# Altium PCB PFC_Interleaved_V8.1.PcbDoc (part 3 of 3)
Units mm, origin at the board's own origin, x right, y up, seen from the top; angles counter-clockwise.
Board outline 258.26 x 148.72 mm, 4 copper layers (Top Layer, Signal Layer 1, Signal Layer 2, Bottom Layer), stack 0.809 mm thick; 261 components, 132 nets, 672 pads, 435 vias.
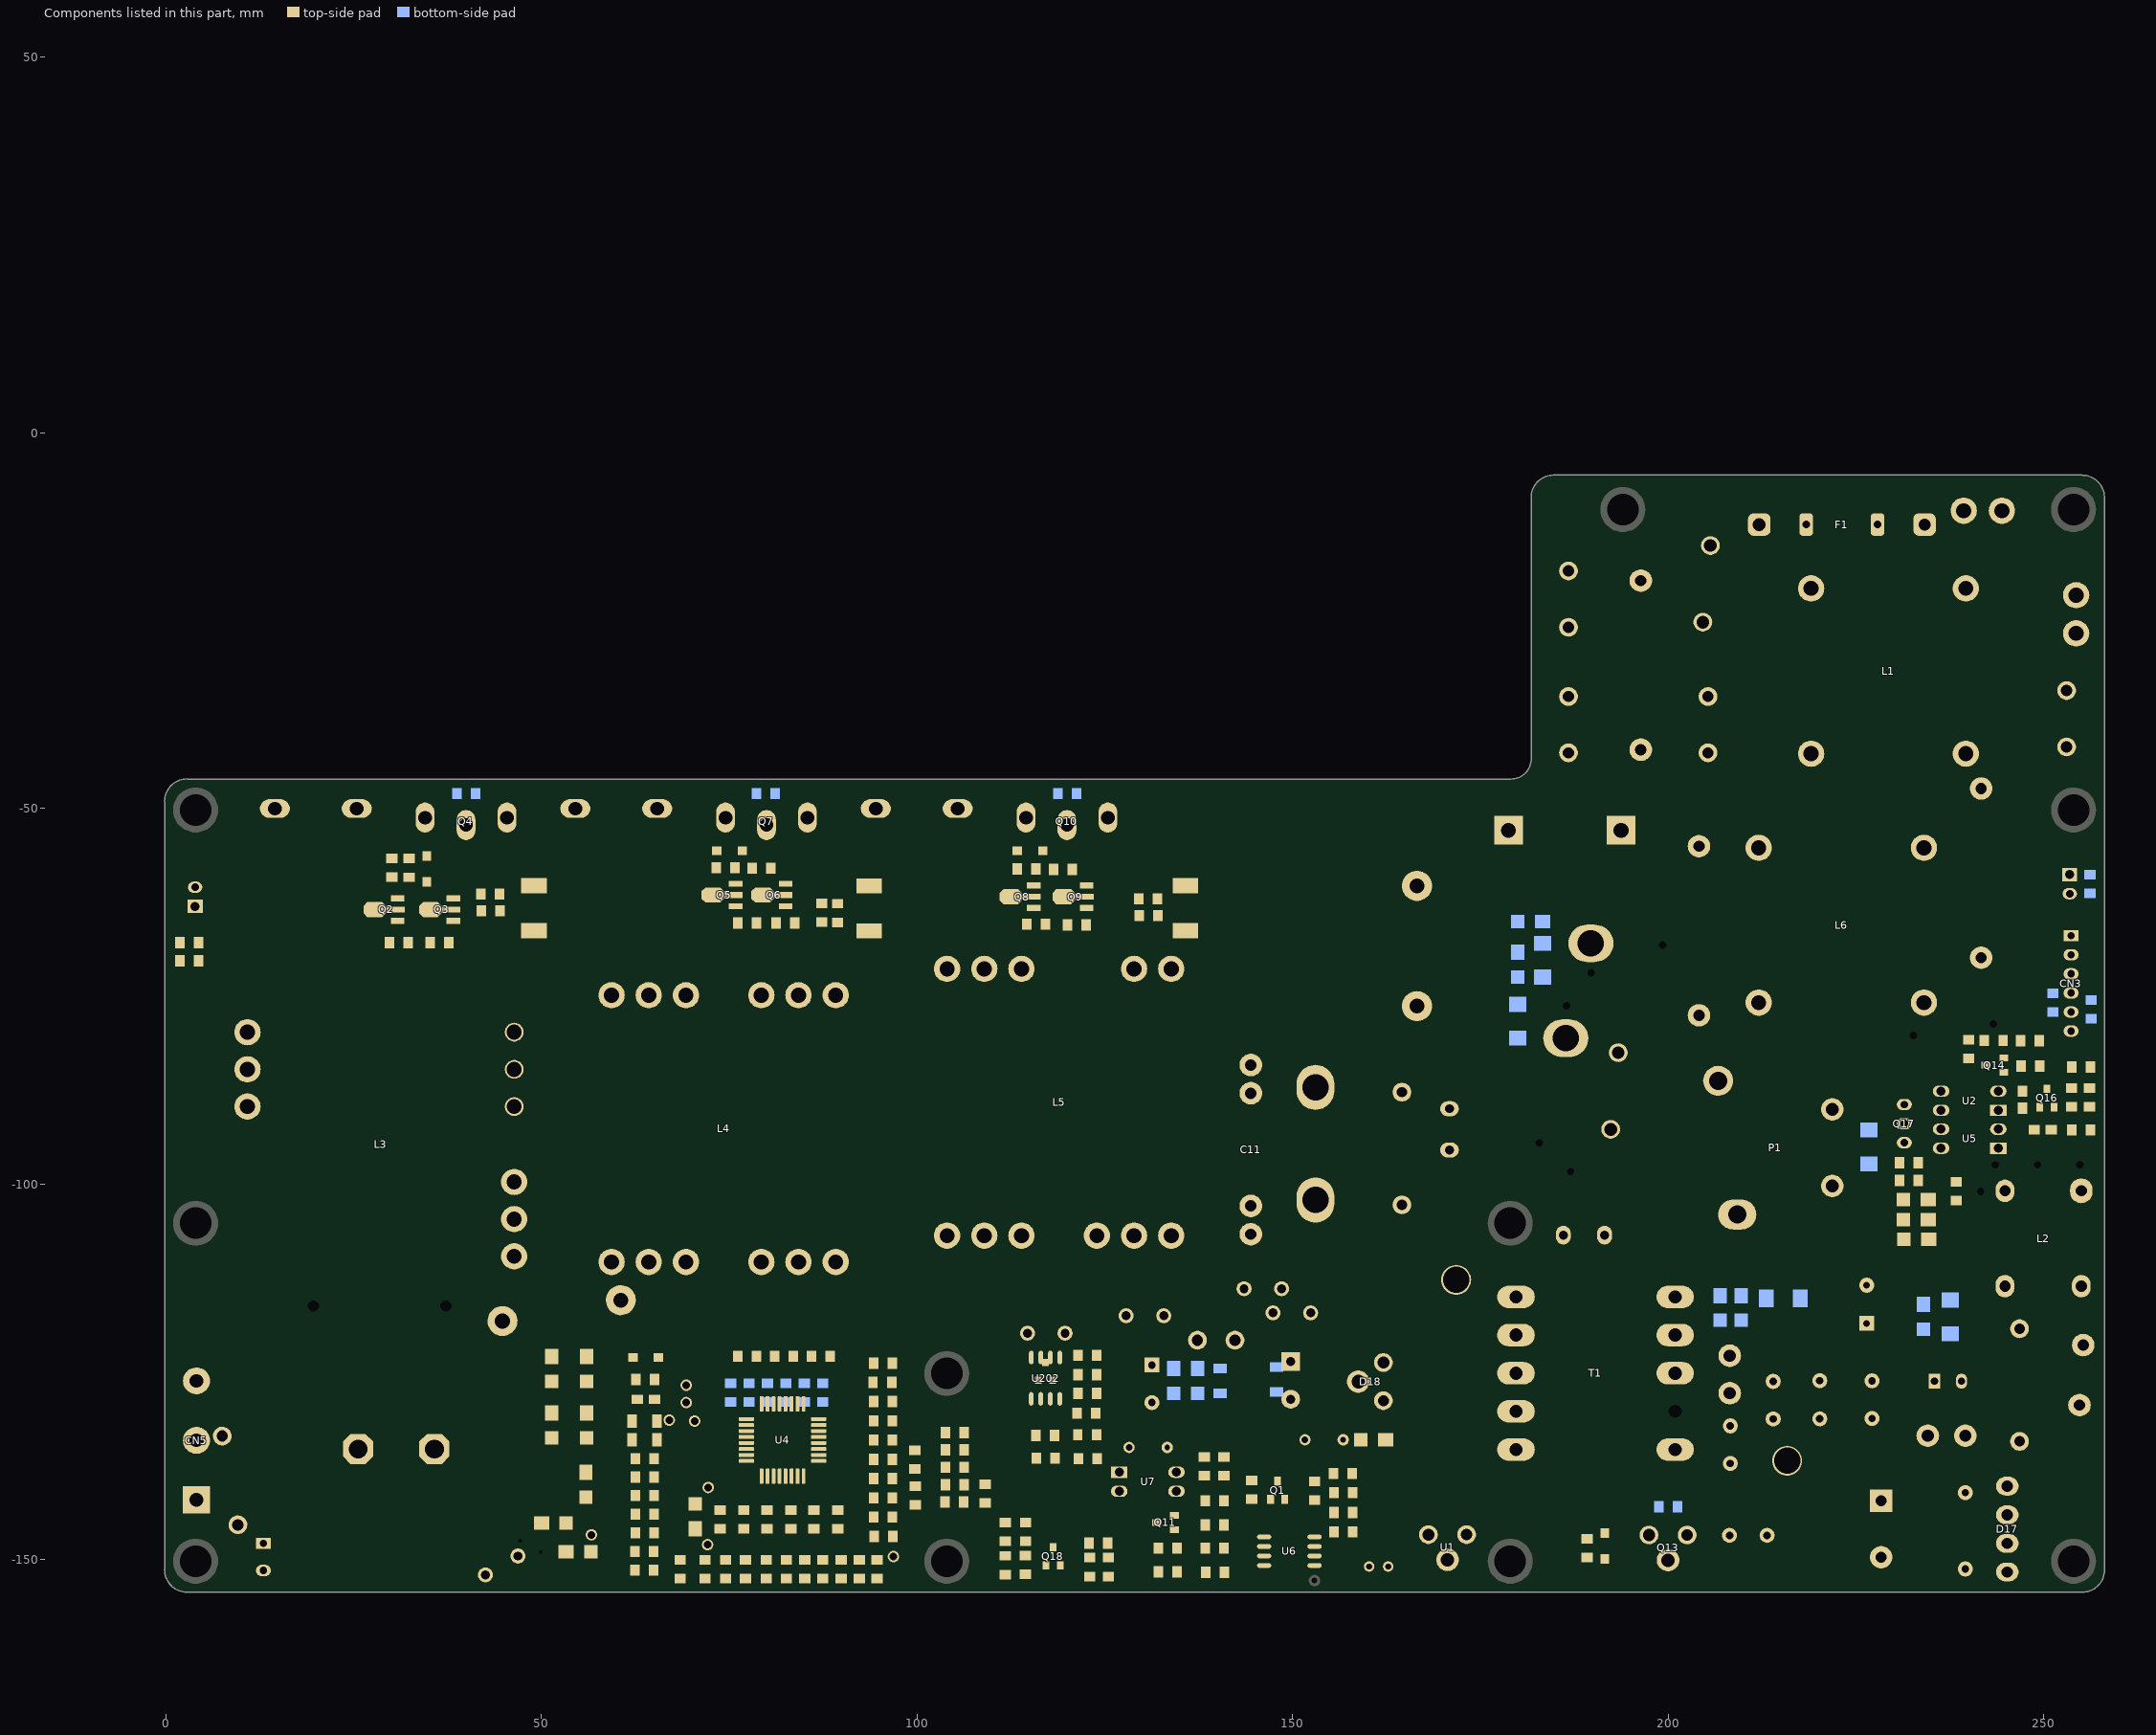
[diagram p5: the components of this part, seen from the top]

## Polygon pours and split planes (outlines as drawn) (continued)
BUS on Top Layer "Hi" (solid, remove dead copper, pour order 105): 154.254,-95.657 44.577,-95.656 ccw(c44.576,-97.967) 42.266,-97.968 42.266,-111.608 ccw(c47.879,-111.608) 47.87,-117.221 63.421,-117.245 67.795,-112.7 136.55,-112.7 ccw(c136.55,-111.201) 138.049,-111.201 138.049,-110.592 cw(c139.785,-110.592) 139.785,-108.855 154.263,-108.855 ccw(c154.263,-106.375) 156.743,-106.375 156.743,-98.146 ccw(c154.254,-98.146)
PGND on Top Layer "Hi" (solid, remove dead copper, pour order 108): 37.601,-137.944 33.825,-137.959 cw(c33.799,-130.957) 26.797,-130.957 26.797,-74.729 cw(c32.995,-74.729) 28.613,-70.346 31.546,-67.413 cw(c36.576,-72.443) 36.577,-65.329 52.172,-65.329 cw(c52.172,-67.208) 54.051,-67.208 54.051,-77.14 ccw(c56.21,-77.14) 56.21,-79.299 157.023,-79.299 157.023,-90.277 cw(c153.37,-90.106) 153.187,-93.758 44.184,-93.758 ccw(c44.172,-97.495) 40.435,-97.495 40.435,-97.751 40.435,-107.567 40.435,-135.099 cw(c37.59,-135.099)
PGND on Top Layer "Hi" (solid, remove dead copper, pour order 119): 151.079,-65.278 76.683,-65.278 ccw(c76.683,-68.859) 73.101,-68.859 73.101,-93.396 153.213,-93.396 ccw(c153.213,-89.611) 156.997,-89.611 156.997,-71.196 ccw(c151.079,-71.196)
NetD6_3 on Top Layer "Hi" (solid, remove dead copper, pour order 110): 19.456,-91.796 9.703,-91.796 cw(c9.703,-89.281) 7.188,-89.281 7.188,-64.078 cw(c12.877,-64.078) 8.854,-60.056 20.625,-48.285 cw(c22.035,-49.696) 22.035,-47.701 26.086,-47.701 cw(c26.086,-49.225) 27.61,-49.225 27.61,-57.542 cw(c24.941,-57.542) 26.828,-59.429 26.104,-60.154 ccw(c27.769,-62.701) 24.727,-62.779 24.79,-88.595 cw(c20.278,-87.12)
NetQ6_2 on Top Layer "Hi" (solid, remove dead copper, pour order 100): 98.73,-63.043 81.458,-63.043 81.458,-59.512 83.16,-58.42 83.16,-49.149 cw(c84.734,-49.149) 84.734,-47.574 89.586,-47.574 cw(c89.586,-48.997) 91.008,-48.997 91.008,-51.308 ccw(c93.675,-51.308) 93.675,-53.975 97.688,-53.975 cw(c97.688,-55.016) 98.73,-55.016
NetQ3_2 on Top Layer "Hi" (solid, remove dead copper, pour order 99): 54.512,-60.524 54.065,-60.971 cw(c52.498,-59.404) 52.498,-61.62 47.669,-61.62 cw(c47.669,-59.859) 46.423,-61.104 44.465,-59.147 cw(c46.097,-57.515) 43.79,-57.515 43.79,-49.708 cw(c44.983,-49.708) 44.983,-48.514 47.984,-48.514 cw(c47.984,-50.716) 49.571,-49.19 54.254,-54.061 cw(c51.761,-56.458) 55.22,-56.458 55.22,-58.817 cw(c52.805,-58.817)
NetQ9_2 on Top Layer "Hi" (solid, remove dead copper, pour order 98): 137.236,-61.316 129.056,-61.316 cw(c129.056,-56.781) 125.85,-59.988 124.805,-58.943 cw(c128.397,-55.351) 123.317,-55.351 123.317,-48.743 cw(c124.485,-48.743) 124.485,-47.574 135.687,-47.574 cw(c135.687,-49.606) 137.719,-49.606 137.719,-60.833 cw(c137.236,-60.833)
NetCN1_1 on Top Layer "Top Layer-NetCN1_1" (solid, remove dead copper, pour order 91): 247.223,-6.838 226.131,-6.838 ccw(c226.131,-7.604) 225.364,-7.605 225.364,-14.539 225.364,-17.338 ccw(c226.009,-17.338) 226.009,-17.983 233.291,-17.983 ccw(c233.291,-16.689) 234.346,-17.438 235.126,-16.341 cw(c236.101,-17.033) 236.101,-15.837 244.131,-15.837 ccw(c244.131,-13.927) 245.482,-15.278 247.65,-13.109 ccw(c246.388,-11.846) 248.174,-11.846 248.174,-7.788 ccw(c247.223,-7.788)
NetC1_2 on Top Layer "Hi" (solid, remove dead copper, pour order 83): 221.12,-7.1 201.282,-7.1 ccw(c201.282,-8.738) 199.644,-8.738 199.644,-10.541 cw(c194.64,-10.541) 194.64,-15.545 ccw(c194.64,-16.739) 193.446,-16.739 193.446,-19.583 ccw(c195.364,-19.583) 195.364,-21.501 208.945,-21.501 cw(c208.945,-27.677) 213.053,-23.066 216.476,-26.115 ccw(c218.033,-24.368) 218.033,-26.708 221.704,-26.708 ccw(c221.704,-25.029) 223.383,-25.029 223.383,-9.363 ccw(c221.12,-9.363)
LINE on Top Layer "Hi" (solid, remove dead copper, pour order 70): 215.646,-89.205 203.378,-89.205 cw(c203.378,-87.859) 202.032,-87.859 202.032,-85.242 201.092,-84.303 192.354,-84.303 cw(c192.354,-83.388) 191.44,-83.388 191.44,-79.426 cw(c193.065,-79.426) 193.065,-77.8 196.257,-77.8 ccw(c196.257,-73.731) 199.134,-76.608 200.588,-75.154 cw(c204.379,-78.945) 204.379,-73.584 216.442,-73.584 cw(c216.442,-75.099) 217.957,-75.099 217.957,-86.893 cw(c215.646,-86.893)
NULL on Top Layer "PGND" (solid, remove dead copper, pour order 65): 215.011,-48.514 207.696,-48.514 200.66,-48.514 ccw(c200.66,-50.978) 198.196,-50.978 198.196,-52.705 cw(c192.709,-53.074) 197.155,-56.312 cw(c191.774,-51.286) 191.77,-58.649 187.579,-58.649 ccw(c187.579,-60.325) 185.903,-60.325 185.903,-69.24 ccw(c187.528,-69.24) 187.528,-70.866 192.591,-70.866 ccw(c192.591,-65.183) 196.609,-69.202 202.584,-63.227 cw(c206.4,-67.042) 206.401,-61.646 216.052,-61.646 ccw(c216.052,-59.563) 218.135,-59.563 218.135,-51.638 ccw(c215.011,-51.638)
NetD8_3 on Top Layer "Hi" (solid, remove dead copper, pour order 112): 69.418,-77.8 59.055,-77.8 cw(c59.055,-75.133) 56.388,-75.133 56.388,-63.3 cw(c88.646,-63.3) 57.66,-54.33 58.937,-49.918 cw(c61.784,-50.863) 61.9,-47.866 68.237,-47.866 cw(c68.237,-50.038) 70.409,-50.038 70.409,-65.256 ccw(c71.388,-65.256) 70.581,-65.81 70.919,-66.302 cw(c69.384,-67.358) 71.247,-67.358 71.247,-75.971 cw(c69.418,-75.972)
NetC1_1 on Top Layer "Hi" (solid, remove dead copper, pour order 87): 255.13,-17.767 244.891,-17.767 238.951,-17.767 ccw(c238.951,-20.057) 236.661,-20.057 236.661,-28.559 ccw(c238.531,-28.559) 238.531,-30.429 255.727,-30.429 ccw(c255.727,-28.667) 257.489,-28.667 257.489,-20.126 ccw(c255.13,-20.126)
PGND on Bottom Layer "Hi" (solid, remove dead copper, pour order 121): 238.1,-111.354 238.379,-118.313 241.656,-120.541 241.656,-153.81 60.29,-153.81 60.29,-124.759 64.171,-120.879 111.354,-120.879 111.354,-134.694 119.748,-143.942 130.988,-143.942 130.988,-133.604 132.388,-132.41 145.085,-132.41 150.012,-137.338 186.715,-137.338 186.715,-111.354
NetC2_1 on Bottom Layer "PGND" (solid, remove dead copper, pour order 74): 254.736,-42.229 254.737,-39.091 ccw(c252.882,-39.091) 252.882,-37.236 238.709,-37.236 ccw(c238.709,-39.979) 235.966,-39.98 235.966,-42.47 cw(c231.675,-42.471) 234.649,-45.564 231.661,-48.552 ccw(c234.013,-51.481) 230.271,-51.147 230.271,-55.672 ccw(c231.927,-55.672) 231.927,-57.328 239.005,-57.328 ccw(c239.005,-51.674) 243.003,-55.672 245.832,-52.843 ccw(c242.914,-49.925) 247.04,-49.925 247.04,-45.822 cw(c249.631,-45.822) 249.631,-43.231 253.735,-43.231 ccw(c253.735,-42.229)
NetC2_2 on Bottom Layer "PGND" (solid, remove dead copper, pour order 139): 215.46,-36.221 224.612,-36.221 cw(c224.612,-40.081) 228.473,-40.082 228.473,-58.471 231.318,-61.316 ccw(c242.258,-50.74) 243.002,-65.939 cw(c242.578,-68.747) 245.414,-68.879 245.414,-71.851 cw(c242.58,-71.852) 242.579,-74.686 239.963,-74.686 ccw(c241.266,-77.563) 238.31,-76.452 cw(c234.746,-75.383) 234.993,-79.096 229.844,-79.096 cw(c229.844,-76.144) 226.892,-76.144 226.892,-71.781 ccw(c224.202,-71.78) 226.138,-69.913 220.752,-64.327 cw(c223.69,-61.494) 219.608,-61.494 219.608,-50.572 ccw(c214.91,-50.571) 214.909,-45.873 205.344,-45.873 cw(c205.344,-43.805) 203.276,-43.805 203.276,-42.622 cw(c205.587,-42.622) 205.587,-40.31 207.605,-40.31 ccw(c207.605,-37.21) 209.797,-39.402 211.224,-37.975 cw(c215.459,-42.211)
NULL on Bottom Layer "PGND" (solid, remove dead copper, pour order 136): 215.011,-48.514 207.696,-48.514 200.66,-48.514 ccw(c200.66,-50.978) 198.196,-50.978 198.196,-52.705 cw(c192.709,-53.074) 197.155,-56.312 cw(c191.774,-51.286) 191.77,-58.649 187.579,-58.649 ccw(c187.579,-60.325) 185.903,-60.325 185.903,-69.24 ccw(c187.528,-69.24) 187.528,-70.866 192.591,-70.866 ccw(c192.591,-65.184) 196.609,-69.202 202.584,-63.227 cw(c206.4,-67.042) 206.401,-61.646 216.052,-61.646 ccw(c216.052,-59.563) 218.135,-59.563 218.135,-51.638 ccw(c215.011,-51.638)
HV on Bottom Layer "Hi" (solid, remove dead copper, pour order 118): 11.003,-49.246 9.85,-50.399 ccw(c15.233,-55.782) 7.62,-55.782 7.62,-66.663 ccw(c16.417,-66.663) 10.197,-72.884 17.729,-80.416 17.729,-120.447 11.976,-126.2 23.622,-137.846 27.889,-137.846 ccw(c27.889,-136.677) 29.058,-136.677 29.058,-117.246 40.564,-105.74 40.564,-91.652 cw(c43.207,-91.652) 41.828,-89.397 54.737,-81.499 ccw(c50.857,-75.156) 58.293,-75.156 58.293,-49.378 ccw(c56.998,-49.377) 56.998,-48.082 51.511,-48.082 ccw(c51.511,-51.282) 48.311,-51.283 48.311,-52.316 39.761,-70.866 30.455,-70.866 20.983,-61.394 cw(c23.871,-58.506) 19.787,-58.506 19.787,-50.891 ccw(c16.978,-50.891) 16.977,-48.082 13.812,-48.082 ccw(c13.811,-52.053)
BUS on Bottom Layer "Hi" (solid, remove dead copper, pour order 104): 154.254,-95.657 44.577,-95.656 ccw(c44.576,-97.967) 42.266,-97.968 42.266,-111.608 ccw(c47.879,-111.608) 47.879,-117.221 63.421,-117.245 67.795,-112.7 136.55,-112.7 ccw(c136.55,-111.201) 138.049,-111.201 138.049,-110.592 cw(c139.785,-110.592) 139.785,-108.855 154.263,-108.855 ccw(c154.263,-106.375) 156.743,-106.375 156.743,-98.146 ccw(c154.254,-98.146)
NetD8_3 on Bottom Layer "Hi" (solid, remove dead copper, pour order 116): 80.124,-60.007 63.233,-60.008 cw(c63.233,-58.064) 61.29,-58.064 61.29,-49.987 cw(c63.444,-49.987) 63.444,-47.833 78.872,-47.833 cw(c78.872,-51.156) 82.194,-51.156 82.194,-57.937 cw(c80.124,-57.937)
NetD6_3 on Bottom Layer "Hi" (solid, remove dead copper, pour order 115): 39.764,-60.007 23.64,-60.008 cw(c23.64,-57.658) 21.29,-57.658 21.29,-51.328 cw(c23.546,-51.328) 23.546,-49.073 40.056,-49.073 cw(c40.056,-51.211) 42.194,-51.211 42.194,-57.577 cw(c39.764,-57.577)
HV on Bottom Layer "Hi" (solid, remove dead copper, pour order 107): 96.139,-48.031 91.338,-48.031 ccw(c91.338,-51.155) 88.214,-51.156 88.214,-53.159 cw(c84.406,-53.159) 87.099,-55.853 81.811,-61.14 cw(c79.547,-58.876) 79.547,-62.078 64.018,-62.078 cw(c64.018,-58.191) 61.269,-60.939 60.161,-59.831 cw(c63.078,-56.915) 58.953,-56.915 58.953,-51.054 ccw(c55.931,-51.054) 55.931,-48.031 51.74,-48.031 ccw(c51.74,-51.409) 48.362,-51.41 48.362,-89.306 93.243,-89.306 ccw(c93.243,-83.115) 99.435,-83.115 99.435,-51.327 ccw(c96.139,-51.327)
NetD10_3 on Bottom Layer "Hi" (solid, remove dead copper, pour order 102): 105.385,-76.546 cw(c105.43,-72.628) 101.549,-72.085 101.549,-50.607 cw(c103.708,-50.597) 103.708,-48.438 119.278,-48.438 cw(c119.279,-51.511) 122.352,-51.511 122.352,-72.875 cw(c118.686,-72.875) 118.682,-76.541 ccw(c113.867,-4495.354)
NetCN1_1 on Bottom Layer "Top Layer-NetCN1_1" (solid, remove dead copper, pour order 90): 247.223,-6.838 226.131,-6.838 ccw(c226.131,-7.604) 225.364,-7.605 225.364,-14.539 225.364,-17.338 ccw(c226.009,-17.338) 226.009,-17.983 233.291,-17.983 ccw(c233.291,-16.689) 234.346,-17.438 235.126,-16.341 cw(c236.101,-17.033) 236.101,-15.837 244.131,-15.837 ccw(c244.131,-13.927) 245.482,-15.278 247.65,-13.109 ccw(c246.388,-11.846) 248.174,-11.846 248.174,-7.788 ccw(c247.223,-7.788)
NetC1_2 on Bottom Layer "Hi" (solid, remove dead copper, pour order 78): 221.12,-7.1 201.282,-7.1 ccw(c201.282,-8.737) 199.644,-8.738 199.644,-10.541 cw(c194.64,-10.541) 194.64,-15.545 ccw(c194.64,-16.739) 193.446,-16.739 193.446,-19.685 ccw(c195.263,-19.685) 195.263,-21.501 200.269,-21.501 208.945,-21.501 cw(c208.945,-27.676) 213.053,-23.066 216.476,-26.115 ccw(c218.033,-24.368) 218.033,-26.708 221.704,-26.708 ccw(c221.704,-25.029) 223.383,-25.029 223.383,-9.363 ccw(c221.12,-9.363)
LINE1 on Bottom Layer "Hi" (solid, remove dead copper, pour order 94): 215.169,-105.628 215.17,-93.402 ccw(c212.929,-93.402) 212.928,-91.161 199.245,-91.161 cw(c199.007,-87.551) 196.609,-90.259 190.706,-85.164 cw(c192.455,-83.323) 189.916,-83.388 189.916,-79.019 ccw(c188.722,-79.019) 188.722,-77.826 184.175,-77.826 ccw(c184.175,-78.943) 183.058,-78.943 183.058,-89.108 ccw(c188.362,-89.109) 184.563,-92.81 189.539,-97.919 ccw(c192.605,-94.932) 192.605,-99.212 193.917,-99.212 cw(c193.918,-102.674) 196.365,-100.226 201.461,-105.322 ccw(c205.646,-101.137) 205.646,-107.055 213.682,-107.055 ccw(c213.741,-105.628)
LINE on Bottom Layer "Hi" (solid, remove dead copper, pour order 69): 215.646,-89.205 203.378,-89.205 cw(c203.378,-87.859) 202.032,-87.859 202.032,-85.242 201.092,-84.303 192.354,-84.303 cw(c192.354,-83.388) 191.44,-83.388 191.44,-79.426 cw(c193.065,-79.426) 193.065,-77.8 196.257,-77.8 ccw(c196.257,-73.731) 199.134,-76.608 200.588,-75.154 cw(c204.379,-78.945) 204.379,-73.584 216.442,-73.584 cw(c216.442,-75.099) 217.957,-75.099 217.957,-86.893 cw(c215.646,-86.893)
NetQ9_2 on Bottom Layer "Hi" (solid, remove dead copper, pour order 97): 137.236,-61.316 129.056,-61.316 cw(c129.056,-56.781) 125.85,-59.988 124.805,-58.943 cw(c128.397,-55.351) 123.317,-55.351 123.317,-48.743 cw(c124.485,-48.743) 124.485,-47.574 135.687,-47.574 cw(c135.687,-49.606) 137.719,-49.606 137.719,-60.833 cw(c137.236,-60.833)
NetC1_1 on Bottom Layer "Hi" (solid, remove dead copper, pour order 86): 255.13,-17.767 244.891,-17.767 238.951,-17.767 ccw(c238.951,-20.057) 236.661,-20.057 236.661,-28.559 ccw(c238.531,-28.559) 238.531,-30.429 255.727,-30.429 ccw(c255.727,-28.667) 257.489,-28.667 257.489,-20.126 ccw(c255.13,-20.126)
LINE1 on Signal Layer 1 "Hi" (solid, remove dead copper, pour order 147): 215.169,-105.628 215.17,-93.403 ccw(c212.928,-93.403) 212.928,-91.161 199.244,-91.161 cw(c199.007,-87.551) 196.608,-90.259 190.705,-85.165 cw(c192.454,-83.323) 189.915,-83.389 189.915,-79.02 ccw(c188.722,-79.02) 188.722,-77.826 184.175,-77.826 ccw(c184.175,-78.943) 183.057,-78.944 183.057,-89.109 ccw(c188.362,-89.109) 184.562,-92.81 189.539,-97.919 ccw(c192.605,-94.933) 192.605,-99.213 193.917,-99.213 cw(c193.917,-102.674) 196.365,-100.227 201.46,-105.322 ccw(c205.645,-101.137) 205.645,-107.056 213.681,-107.056 ccw(c213.74,-105.628)
NetC2_1 on Signal Layer 1 "PGND" (solid, remove dead copper, pour order 143): 254.736,-42.229 254.736,-39.091 ccw(c252.882,-39.091) 252.882,-37.237 238.709,-37.237 ccw(c238.709,-39.98) 235.966,-39.98 235.966,-42.471 cw(c231.674,-42.471) 234.649,-45.564 231.66,-48.552 ccw(c234.012,-51.481) 230.271,-51.147 230.271,-55.672 ccw(c231.927,-55.672) 231.927,-57.328 239.004,-57.328 ccw(c239.005,-51.674) 243.003,-55.672 245.831,-52.843 ccw(c242.913,-49.925) 247.04,-49.925 247.04,-45.822 cw(c249.631,-45.822) 249.631,-43.231 253.734,-43.231 ccw(c253.734,-42.229)
NetC2_2 on Signal Layer 1 "PGND" (solid, remove dead copper, pour order 140): 215.46,-36.221 224.612,-36.221 cw(c224.612,-40.081) 228.473,-40.082 228.473,-58.471 231.318,-61.316 ccw(c242.258,-50.74) 243.002,-65.939 cw(c242.578,-68.747) 245.414,-68.879 245.414,-71.851 cw(c242.58,-71.852) 242.579,-74.686 239.963,-74.686 ccw(c241.266,-77.563) 238.31,-76.452 cw(c234.746,-75.383) 234.993,-79.096 229.844,-79.096 cw(c229.844,-76.144) 226.892,-76.144 226.892,-71.781 ccw(c224.202,-71.78) 226.138,-69.913 220.752,-64.327 cw(c223.69,-61.494) 219.608,-61.494 219.608,-50.572 ccw(c214.91,-50.571) 214.909,-45.873 205.344,-45.873 cw(c205.344,-43.805) 203.276,-43.805 203.276,-42.622 cw(c205.587,-42.622) 205.587,-40.31 207.605,-40.31 ccw(c207.605,-37.21) 209.797,-39.402 211.224,-37.975 cw(c215.459,-42.211)
NULL on Signal Layer 1 "PGND" (solid, remove dead copper, pour order 133): 215.011,-48.514 207.696,-48.514 200.66,-48.514 ccw(c200.66,-50.978) 198.196,-50.978 198.196,-52.705 cw(c192.709,-53.074) 197.155,-56.312 cw(c191.774,-51.286) 191.77,-58.649 187.579,-58.649 ccw(c187.579,-60.325) 185.903,-60.325 185.903,-69.24 ccw(c187.528,-69.24) 187.528,-70.866 192.591,-70.866 ccw(c192.591,-65.184) 196.609,-69.202 202.584,-63.227 cw(c206.4,-67.042) 206.401,-61.646 216.052,-61.646 ccw(c216.052,-59.563) 218.135,-59.563 218.135,-51.638 ccw(c215.011,-51.638)
NULL on Signal Layer 1 "Hi" (solid, remove dead copper, pour order 66): 212.616,-89.586 204.622,-89.586 cw(c204.622,-88.755) 203.791,-88.755 203.791,-86.266 202.006,-84.48 194.513,-84.48 cw(c194.513,-83.079) 193.112,-83.079 193.112,-81.792 cw(c194.767,-81.792) 194.767,-80.137 ccw(c194.767,-75.106) 198.809,-78.102 201.074,-75.046 cw(c204.281,-77.423) 204.281,-73.431 214.376,-73.431 cw(c214.376,-75.401) 216.345,-75.401 216.345,-85.857 cw(c212.617,-85.857)
NetD6_3 on Signal Layer 1 "Hi" (solid, remove dead copper, pour order 114): 39.764,-60.007 21.095,-60.008 cw(c21.095,-57.912) 18.999,-57.912 18.999,-49.917 cw(c21.133,-49.917) 21.12,-47.783 40.398,-47.669 cw(c40.408,-49.447) 42.186,-49.445 42.194,-57.577 cw(c39.764,-57.577)
NetD6_3 on Signal Layer 1 "Hi" (solid, remove dead copper, pour order 109): 19.456,-91.796 9.703,-91.796 cw(c9.703,-89.281) 7.188,-89.281 7.188,-64.078 cw(c12.877,-64.078) 8.854,-60.056 20.625,-48.285 cw(c22.035,-49.696) 22.035,-47.701 26.086,-47.701 cw(c26.086,-49.225) 27.61,-49.225 27.61,-57.542 cw(c24.941,-57.542) 26.828,-59.429 26.104,-60.154 ccw(c27.796,-62.712) 24.74,-62.459 24.816,-88.443 cw(c20.342,-87.251)
NetCN1_1 on Signal Layer 1 "Top Layer-NetCN1_1" (solid, remove dead copper, pour order 89): 247.223,-6.838 226.131,-6.838 ccw(c226.131,-7.604) 225.364,-7.605 225.364,-14.539 225.364,-17.338 ccw(c226.009,-17.338) 226.009,-17.983 233.291,-17.983 ccw(c233.291,-16.689) 234.346,-17.438 235.126,-16.341 cw(c236.101,-17.033) 236.101,-15.837 244.131,-15.837 ccw(c244.131,-13.927) 245.482,-15.278 247.65,-13.109 ccw(c246.388,-11.846) 248.174,-11.846 248.174,-7.788 ccw(c247.223,-7.788)
NetC1_2 on Signal Layer 1 "Hi" (solid, remove dead copper, pour order 77): 221.12,-7.1 201.282,-7.1 ccw(c201.282,-8.738) 199.644,-8.738 199.644,-10.541 cw(c194.64,-10.541) 194.64,-15.545 ccw(c194.64,-16.739) 193.446,-16.739 193.446,-19.583 ccw(c195.364,-19.583) 195.364,-21.501 208.945,-21.501 cw(c208.945,-27.677) 213.053,-23.066 216.476,-26.115 ccw(c218.033,-24.368) 218.033,-26.708 221.704,-26.708 ccw(c221.704,-25.029) 223.383,-25.029 223.383,-9.363 ccw(c221.12,-9.363)
LINE on Signal Layer 1 "Hi" (solid, remove dead copper, pour order 68): 215.646,-89.205 203.378,-89.205 cw(c203.378,-87.859) 202.032,-87.859 202.032,-85.242 201.092,-84.303 192.354,-84.303 cw(c192.354,-83.388) 191.44,-83.388 191.44,-79.426 cw(c193.065,-79.426) 193.065,-77.8 196.257,-77.8 ccw(c196.257,-73.731) 199.134,-76.608 200.588,-75.154 cw(c204.379,-78.945) 204.379,-73.584 216.442,-73.584 cw(c216.442,-75.099) 217.957,-75.099 217.957,-86.893 cw(c215.646,-86.893)
NetC1_1 on Signal Layer 1 "Hi" (solid, remove dead copper, pour order 85): 255.13,-17.767 244.891,-17.767 238.951,-17.767 ccw(c238.951,-20.057) 236.661,-20.057 236.661,-28.559 ccw(c238.531,-28.559) 238.531,-30.429 255.727,-30.429 ccw(c255.727,-28.667) 257.489,-28.667 257.489,-20.126 ccw(c255.13,-20.126)
HV on Signal Layer 2 "Hi" (solid, remove dead copper, pour order 117): 11.003,-49.246 9.85,-50.399 ccw(c15.233,-55.782) 7.62,-55.782 7.62,-66.663 ccw(c16.417,-66.663) 10.197,-72.884 17.729,-80.416 17.729,-111.629 17.729,-119.99 17.729,-131.953 23.622,-137.846 27.889,-137.846 ccw(c27.889,-136.677) 29.058,-136.677 29.058,-117.246 40.564,-105.74 40.564,-91.652 cw(c43.207,-91.652) 41.828,-89.397 54.737,-81.499 ccw(c50.857,-75.156) 58.293,-75.156 58.293,-49.378 ccw(c56.998,-49.377) 56.998,-48.082 51.511,-48.082 ccw(c51.511,-51.282) 48.311,-51.283 48.311,-52.316 39.761,-70.866 30.455,-70.866 20.983,-61.394 cw(c23.871,-58.506) 19.787,-58.506 19.787,-50.891 ccw(c16.978,-50.891) 16.977,-48.082 13.812,-48.082 ccw(c13.811,-52.053)
LINE1 on Signal Layer 2 "Hi" (solid, remove dead copper, pour order 146): 215.169,-105.628 215.17,-93.403 ccw(c212.928,-93.403) 212.928,-91.161 199.244,-91.161 cw(c199.007,-87.551) 196.608,-90.259 190.705,-85.165 cw(c192.454,-83.323) 189.915,-83.389 189.915,-79.02 ccw(c188.722,-79.02) 188.722,-77.826 184.175,-77.826 ccw(c184.175,-78.943) 183.057,-78.944 183.057,-89.109 ccw(c188.362,-89.109) 184.562,-92.81 189.539,-97.919 ccw(c192.605,-94.933) 192.605,-99.213 193.917,-99.213 cw(c193.917,-102.674) 196.365,-100.227 201.46,-105.322 ccw(c205.645,-101.137) 205.645,-107.056 213.681,-107.056 ccw(c213.74,-105.628)
NetC2_1 on Signal Layer 2 "PGND" (solid, remove dead copper, pour order 144): 254.736,-42.229 254.736,-39.091 ccw(c252.882,-39.091) 252.882,-37.237 238.709,-37.237 ccw(c238.709,-39.98) 235.966,-39.98 235.966,-42.471 cw(c231.674,-42.471) 234.649,-45.564 231.66,-48.552 ccw(c234.012,-51.481) 230.271,-51.147 230.271,-55.672 ccw(c231.927,-55.672) 231.927,-57.328 239.004,-57.328 ccw(c239.005,-51.674) 243.003,-55.672 245.831,-52.843 ccw(c242.913,-49.925) 247.04,-49.925 247.04,-45.822 cw(c249.631,-45.822) 249.631,-43.231 253.734,-43.231 ccw(c253.734,-42.229)
NetC2_2 on Signal Layer 2 "PGND" (solid, remove dead copper, pour order 141): 215.46,-36.221 224.612,-36.221 cw(c224.612,-40.081) 228.473,-40.082 228.473,-58.471 231.318,-61.316 ccw(c242.258,-50.74) 243.002,-65.939 cw(c242.578,-68.747) 245.414,-68.879 245.414,-71.851 cw(c242.58,-71.852) 242.579,-74.686 239.963,-74.686 ccw(c241.266,-77.563) 238.31,-76.452 cw(c234.746,-75.383) 234.993,-79.096 229.844,-79.096 cw(c229.844,-76.144) 226.892,-76.144 226.892,-71.781 ccw(c224.202,-71.78) 226.138,-69.913 220.752,-64.327 cw(c223.69,-61.494) 219.608,-61.494 219.608,-50.572 ccw(c214.91,-50.571) 214.909,-45.873 205.344,-45.873 cw(c205.344,-43.805) 203.276,-43.805 203.276,-42.622 cw(c205.587,-42.622) 205.587,-40.31 207.605,-40.31 ccw(c207.605,-37.21) 209.797,-39.402 211.224,-37.975 cw(c215.459,-42.211)
NULL on Signal Layer 2 "PGND" (solid, remove dead copper, pour order 138): 215.011,-48.514 207.696,-48.514 200.66,-48.514 ccw(c200.66,-50.978) 198.196,-50.978 198.196,-52.705 cw(c192.709,-53.074) 197.155,-56.312 cw(c191.774,-51.286) 191.77,-58.649 187.579,-58.649 ccw(c187.579,-60.325) 185.903,-60.325 185.903,-69.24 ccw(c187.528,-69.24) 187.528,-70.866 192.591,-70.866 ccw(c192.591,-65.184) 196.609,-69.202 202.584,-63.227 cw(c206.4,-67.042) 206.401,-61.646 216.052,-61.646 ccw(c216.052,-59.563) 218.135,-59.563 218.135,-51.638 ccw(c215.011,-51.638)
BUS on Signal Layer 2 "Hi" (solid, remove dead copper, pour order 103): 154.254,-95.657 44.577,-95.656 ccw(c44.576,-97.967) 42.266,-97.968 42.266,-111.608 ccw(c47.879,-111.608) 47.879,-117.221 63.421,-117.245 67.795,-112.7 136.55,-112.7 ccw(c136.55,-111.201) 138.049,-111.201 138.049,-110.592 cw(c139.785,-110.592) 139.785,-108.855 154.263,-108.855 ccw(c154.263,-106.375) 156.743,-106.375 156.743,-98.146 ccw(c154.254,-98.146)
PGND on Signal Layer 2 "Hi" (solid, remove dead copper, pour order 120): 238.1,-111.354 238.379,-118.313 241.656,-120.541 241.656,-153.81 60.29,-153.81 60.29,-124.759 64.171,-120.879 111.354,-120.879 111.354,-134.694 119.748,-143.942 130.988,-143.942 130.988,-133.604 132.388,-132.41 145.085,-132.41 150.012,-137.338 186.715,-137.338 186.715,-111.354
NetD6_3 on Signal Layer 2 "Hi" (solid, remove dead copper, pour order 113): 39.764,-60.007 23.64,-60.008 cw(c23.64,-57.658) 21.29,-57.658 21.29,-51.328 cw(c23.546,-51.328) 23.546,-49.073 40.056,-49.073 cw(c40.056,-51.211) 42.194,-51.211 42.194,-57.577 cw(c39.764,-57.577)
HV on Signal Layer 2 "Hi" (solid, remove dead copper, pour order 106): 97.231,-48.031 89.637,-48.031 ccw(c89.637,-49.251) 88.417,-49.251 88.417,-53.848 81.826,-60.631 cw(c78.642,-57.536) 78.642,-61.976 75.692,-61.976 ccw(c75.692,-64.135) 73.533,-64.135 73.533,-76.276 cw(c70.688,-76.276) 70.688,-79.121 48.408,-79.121 48.362,-89.306 93.243,-89.306 ccw(c93.243,-83.115) 99.435,-83.115 99.435,-50.235 ccw(c97.231,-50.235)
NetD10_3 on Signal Layer 2 "Hi" (solid, remove dead copper, pour order 101): 119.99,-79.705 104.254,-79.705 cw(c104.254,-77) 101.549,-77 101.549,-50.607 cw(c103.708,-50.597) 103.708,-48.438 119.278,-48.438 cw(c119.278,-51.511) 122.352,-51.511 122.352,-77.319 cw(c119.99,-77.343)
NetCN1_1 on Signal Layer 2 "Top Layer-NetCN1_1" (solid, remove dead copper, pour order 88): 247.223,-6.838 226.131,-6.838 ccw(c226.131,-7.604) 225.364,-7.605 225.364,-14.539 225.364,-17.338 ccw(c226.009,-17.338) 226.009,-17.983 233.291,-17.983 ccw(c233.291,-16.689) 234.346,-17.438 235.126,-16.341 cw(c236.101,-17.033) 236.101,-15.837 244.131,-15.837 ccw(c244.131,-13.927) 245.482,-15.278 247.65,-13.109 ccw(c246.388,-11.846) 248.174,-11.846 248.174,-7.788 ccw(c247.223,-7.788)
NetC1_2 on Signal Layer 2 "Hi" (solid, remove dead copper, pour order 76): 221.12,-7.1 201.282,-7.1 ccw(c201.282,-8.738) 199.644,-8.738 199.644,-10.541 cw(c194.64,-10.541) 194.64,-15.545 ccw(c194.64,-16.739) 193.446,-16.739 193.446,-19.583 ccw(c195.364,-19.583) 195.364,-21.501 208.945,-21.501 cw(c208.945,-27.677) 213.053,-23.066 216.476,-26.115 ccw(c218.033,-24.368) 218.033,-26.708 221.704,-26.708 ccw(c221.704,-25.029) 223.383,-25.029 223.383,-9.363 ccw(c221.12,-9.363)
LINE on Signal Layer 2 "Hi" (solid, remove dead copper, pour order 67): 215.646,-89.205 203.378,-89.205 cw(c203.378,-87.859) 202.032,-87.859 202.032,-85.242 201.092,-84.303 192.354,-84.303 cw(c192.354,-83.388) 191.44,-83.388 191.44,-79.426 cw(c193.065,-79.426) 193.065,-77.8 196.257,-77.8 ccw(c196.257,-73.731) 199.134,-76.608 200.588,-75.154 cw(c204.379,-78.945) 204.379,-73.584 216.442,-73.584 cw(c216.442,-75.099) 217.957,-75.099 217.957,-86.893 cw(c215.646,-86.893)
NetD8_3 on Signal Layer 2 "Hi" (solid, remove dead copper, pour order 111): 69.444,-77.876 58.217,-77.876 cw(c58.217,-76.048) 56.388,-76.048 56.388,-63.3 cw(c88.647,-63.3) 57.66,-54.33 58.937,-49.918 cw(c61.784,-50.863) 61.9,-47.866 68.237,-47.866 cw(c68.237,-50.038) 70.409,-50.038 70.409,-65.256 ccw(c71.388,-65.256) 70.581,-65.81 70.919,-66.302 cw(c69.384,-67.357) 71.247,-67.358 71.247,-76.073 cw(c69.444,-76.073)
NetC1_1 on Signal Layer 2 "Hi" (solid, remove dead copper, pour order 84): 255.13,-17.767 244.891,-17.767 238.951,-17.767 ccw(c238.951,-20.057) 236.661,-20.057 236.661,-28.559 ccw(c238.531,-28.559) 238.531,-30.429 255.727,-30.429 ccw(c255.727,-28.667) 257.489,-28.667 257.489,-20.126 ccw(c255.13,-20.126)

## Keep-outs
Keep-Out Layer:
  lines w0.254: -0.03,-151.349 ccw(c2.815,-151.349) 2.815,-154.194 ; -0.03,-49.039 cw(c2.815,-49.039) 2.815,-46.195 ; -0.025,-153.949 -0.025,-154.203 0.229,-154.203 ; -0.022,-151.349 -0.022,-49.039 ; 2.815,-154.203 208.302,-154.203 255.133,-154.203 ccw(c255.133,-151.358) 257.978,-151.358 257.978,-49.048 ; 2.815,-46.203 179.074,-46.203 ccw(c179.074,-43.358) 181.919,-43.358 ; 181.893,-8.586 cw(c184.738,-8.586) 184.738,-5.741 255.108,-5.741 ; 181.919,-43.713 181.919,-8.496 ; 255.108,-5.753 cw(c255.108,-8.598) 257.952,-8.598 ; 257.952,-49.682 257.952,-8.496

## Other copper
Top Layer:
  pour cut-out: 117.63,-71.202 ccw(c113.749,-71.377) 113.924,-67.496 ccw(c113.924,-71.202) 110.218,-71.202 ccw(c114.147,-71.053) 113.859,-74.974 ccw(c113.636,-70.979)
  pour cut-out: 112.677,-71.202 ccw(c108.796,-71.377) 108.971,-67.496 ccw(c108.971,-71.202) 105.265,-71.202 ccw(c109.194,-71.053) 108.906,-74.974 ccw(c108.683,-70.979)
  pour cut-out: 107.724,-71.202 ccw(c103.843,-71.377) 104.018,-67.496 ccw(c104.018,-71.202) 100.312,-71.202 ccw(c104.241,-71.053) 103.953,-74.974 ccw(c103.73,-70.979)
  pour cut-out: 113.906,-74.853 cw(c114.08,-70.972) 110.199,-71.147 cw(c113.905,-71.147) 113.906,-67.441 cw(c113.756,-71.369) 117.677,-71.081 cw(c113.683,-70.858)
  pour cut-out: 85.903,-63.195 85.903,-61.341 cw(c86.538,-61.341) 86.538,-60.706 90.365,-60.706 cw(c90.365,-61.952) 91.246,-61.071 91.474,-61.299 ccw(c92.128,-60.645) 92.128,-61.57 98.704,-61.57 cw(c98.704,-61.773) 98.908,-61.773 98.908,-63.195
  pour cut-out: 171.764,-118.092 cw(c172.026,-112.322) 166.255,-112.583 cw(c171.793,-112.657) 171.866,-107.12 cw(c171.793,-112.657) 177.33,-112.73 cw(c171.866,-112.629)
  pour cut-out: 253.113,-15.593 cw(c253.505,-10.415) 248.313,-10.493 cw(c253.901,-10.38) 253.788,-4.793 cw(c253.788,-10.493) 259.488,-10.493 cw(c253.751,-9.855)
  pour cut-out: 193.113,-15.593 cw(c193.505,-10.415) 188.313,-10.493 cw(c193.901,-10.38) 193.788,-4.793 cw(c193.788,-10.493) 199.488,-10.493 cw(c193.751,-9.855)
  pour cut-out: 3.911,-110.697 cw(c4.173,-104.927) -1.598,-105.188 cw(c3.94,-105.262) 4.013,-99.724 cw(c3.939,-105.262) 9.477,-105.335 cw(c4.013,-105.234)
  pour cut-out: 3.911,-55.697 cw(c4.173,-49.927) -1.598,-50.188 cw(c3.94,-50.262) 4.013,-44.724 cw(c3.939,-50.262) 9.477,-50.335 cw(c4.013,-50.234)
  pour cut-out: 3.911,-155.697 cw(c4.173,-149.927) -1.598,-150.188 cw(c3.94,-150.262) 4.013,-144.724 cw(c3.939,-150.262) 9.477,-150.335 cw(c4.013,-150.234)
  pour cut-out: 178.911,-110.697 cw(c179.173,-104.927) 173.402,-105.188 cw(c178.94,-105.262) 179.013,-99.724 cw(c178.939,-105.262) 184.477,-105.335 cw(c179.013,-105.234)
  pour cut-out: 39.616,-69.255 cw(c39.356,-67.734) 37.864,-68.13 cw(c39.459,-67.965) 39.294,-66.37 cw(c39.294,-67.831) 40.754,-67.831 cw(c39.473,-67.974)
  pour cut-out: 103.911,-155.697 cw(c104.173,-149.927) 98.402,-150.188 cw(c103.94,-150.262) 104.013,-144.724 cw(c103.939,-150.262) 109.477,-150.335 cw(c104.013,-150.234)
  pour cut-out: 103.911,-130.698 cw(c104.173,-124.927) 98.402,-125.189 cw(c103.939,-125.262) 104.013,-119.725 cw(c103.939,-125.262) 109.476,-125.336 cw(c104.013,-125.235)
  pour cut-out: 178.911,-155.697 cw(c179.173,-149.927) 173.402,-150.188 cw(c178.94,-150.262) 179.013,-144.724 cw(c178.939,-150.262) 184.477,-150.335 cw(c179.013,-150.234)
  pour cut-out: 215.783,-142.324 cw(c216.044,-136.553) 210.274,-136.815 cw(c215.811,-136.888) 215.884,-131.351 cw(c215.811,-136.888) 221.348,-136.962 cw(c215.884,-136.861)
  pour cut-out: 253.911,-55.697 cw(c254.173,-49.927) 248.402,-50.188 cw(c253.94,-50.262) 254.013,-44.724 cw(c253.939,-50.262) 259.477,-50.335 cw(c254.013,-50.234)
  pour cut-out: 253.911,-155.697 cw(c254.173,-149.927) 248.402,-150.188 cw(c253.94,-150.262) 254.013,-144.724 cw(c253.939,-150.262) 259.477,-150.335 cw(c254.013,-150.234)
  pour cut-out: 44.76,-123.723 cw(c45.022,-117.953) 39.251,-118.215 cw(c44.788,-118.288) 50.325,-118.361 cw(c44.862,-118.26)
  pour cut-out: 48.641,-89.675 cw(c46.38,-89.675) 46.38,-91.936 cw(c46.38,-89.675) 44.12,-89.675 cw(c46.38,-89.675) 46.38,-87.414 cw(c46.38,-89.674) 48.641,-89.674 48.641,-89.891
  pour cut-out: 48.641,-84.722 cw(c46.38,-84.722) 46.38,-86.983 cw(c46.38,-84.722) 44.12,-84.722 cw(c46.38,-84.722) 46.38,-82.461 cw(c46.38,-84.721) 48.641,-84.721 48.641,-84.938
  pour cut-out: 48.641,-79.769 cw(c46.38,-79.769) 46.38,-82.03 cw(c46.38,-79.769) 44.12,-79.769 cw(c46.38,-79.769) 46.38,-77.508 cw(c46.38,-79.768) 48.641,-79.768 48.641,-79.985
  pour cut-out: 103.899,-74.959 113.828,-74.959 113.809,-67.524 103.899,-67.484
  pour cut-out: 128.797,-61.773 128.797,-60.401 133.178,-60.401 134.55,-61.773
  pour cut-out: 206.299,-119.786 210.287,-119.786 213.411,-122.911 226.162,-122.911 230.403,-127.152 230.403,-134.765 220.938,-134.765
Signal Layer 1:
  pour cut-out: 193.162,-15.574 cw(c193.554,-10.396) 188.362,-10.474 cw(c193.949,-10.361) 193.837,-4.774 cw(c193.837,-10.474) 199.537,-10.474 cw(c193.799,-9.836)
  pour cut-out: 103.911,-155.697 cw(c104.173,-149.927) 98.402,-150.188 cw(c103.94,-150.262) 104.013,-144.724 cw(c103.939,-150.262) 109.477,-150.335 cw(c104.013,-150.234)
  pour cut-out: 103.911,-130.698 cw(c104.173,-124.927) 98.402,-125.189 cw(c103.939,-125.262) 104.013,-119.725 cw(c103.939,-125.262) 109.476,-125.336 cw(c104.013,-125.235)
  pour cut-out: 178.911,-155.697 cw(c179.173,-149.927) 173.402,-150.188 cw(c178.94,-150.262) 179.013,-144.724 cw(c178.939,-150.262) 184.477,-150.335 cw(c179.013,-150.234)
  pour cut-out: 215.783,-142.324 cw(c216.044,-136.553) 210.274,-136.815 cw(c215.811,-136.888) 215.884,-131.351 cw(c215.811,-136.888) 221.348,-136.962 cw(c215.884,-136.861)
  pour cut-out: 253.911,-55.697 cw(c254.173,-49.927) 248.402,-50.188 cw(c253.94,-50.262) 254.013,-44.724 cw(c253.939,-50.262) 259.477,-50.335 cw(c254.013,-50.234)
  pour cut-out: 253.911,-155.697 cw(c254.173,-149.927) 248.402,-150.188 cw(c253.94,-150.262) 254.013,-144.724 cw(c253.939,-150.262) 259.477,-150.335 cw(c254.013,-150.234)
Signal Layer 2:
  pour cut-out: 193.083,-15.591 cw(c193.475,-10.413) 188.283,-10.491 cw(c193.87,-10.379) 193.758,-4.791 cw(c193.758,-10.491) 199.458,-10.491 cw(c193.721,-9.854)
  pour cut-out: 3.911,-55.697 cw(c4.173,-49.927) -1.598,-50.188 cw(c3.94,-50.262) 4.013,-44.724 cw(c3.939,-50.262) 9.477,-50.335 cw(c4.013,-50.234)
  pour cut-out: 46.386,-76.248 ccw(c46.561,-80.129) 42.68,-79.954 ccw(c46.386,-79.954) 46.386,-83.66 ccw(c46.237,-79.731) 50.158,-80.02 ccw(c46.163,-80.242)
  pour cut-out: 46.386,-86.154 ccw(c46.561,-90.035) 42.68,-89.86 ccw(c46.386,-89.86) 46.386,-93.566 ccw(c46.237,-89.637) 50.158,-89.926 ccw(c46.163,-90.148)
  pour cut-out: 93.018,-74.834 ccw(c89.137,-75.009) 89.312,-71.128 ccw(c89.311,-74.834) 85.605,-74.834 ccw(c89.534,-74.685) 89.246,-78.606 ccw(c89.023,-74.611)
  pour cut-out: 83.112,-74.834 ccw(c79.231,-75.009) 79.406,-71.128 ccw(c79.405,-74.834) 75.699,-74.834 ccw(c79.628,-74.685) 79.34,-78.606 ccw(c79.117,-74.611)
  pour cut-out: 103.911,-155.697 cw(c104.173,-149.927) 98.402,-150.188 cw(c103.94,-150.262) 104.013,-144.724 cw(c103.939,-150.262) 109.477,-150.335 cw(c104.013,-150.234)
  pour cut-out: 103.911,-130.698 cw(c104.173,-124.927) 98.402,-125.189 cw(c103.939,-125.262) 104.013,-119.725 cw(c103.939,-125.262) 109.476,-125.336 cw(c104.013,-125.235)
  pour cut-out: 178.911,-155.697 cw(c179.173,-149.927) 173.402,-150.188 cw(c178.94,-150.262) 179.013,-144.724 cw(c178.939,-150.262) 184.477,-150.335 cw(c179.013,-150.234)
  pour cut-out: 215.783,-142.324 cw(c216.044,-136.553) 210.274,-136.815 cw(c215.811,-136.888) 215.884,-131.351 cw(c215.811,-136.888) 221.348,-136.962 cw(c215.884,-136.861)
  pour cut-out: 253.911,-55.697 cw(c254.173,-49.927) 248.402,-50.188 cw(c253.94,-50.262) 254.013,-44.724 cw(c253.939,-50.262) 259.477,-50.335 cw(c254.013,-50.234)
  pour cut-out: 253.911,-155.697 cw(c254.173,-149.927) 248.402,-150.188 cw(c253.94,-150.262) 254.013,-144.724 cw(c253.939,-150.262) 259.477,-150.335 cw(c254.013,-150.234)
  pour cut-out: 44.76,-123.723 cw(c45.022,-117.953) 39.251,-118.215 cw(c44.788,-118.288) 50.325,-118.361 cw(c44.862,-118.26)
  pour cut-out: 50.143,-89.98 50.143,-80.05 42.708,-80.069 42.669,-89.98
  pour cut-out: 79.286,-78.591 89.215,-78.591 89.197,-71.156 79.286,-71.117
  pour cut-out: 206.299,-119.786 210.287,-119.786 213.411,-122.911 226.162,-122.911 230.403,-127.152 230.403,-134.765 220.938,-134.765
Bottom Layer:
  pour cut-out: 93.018,-74.834 ccw(c89.137,-75.009) 89.312,-71.128 ccw(c89.311,-74.834) 85.605,-74.834 ccw(c89.534,-74.685) 89.246,-78.606 ccw(c89.023,-74.611)
  pour cut-out: 88.065,-74.834 ccw(c84.184,-75.009) 84.359,-71.128 ccw(c84.358,-74.834) 80.652,-74.834 ccw(c84.581,-74.685) 84.293,-78.606 ccw(c84.07,-74.611)
  pour cut-out: 83.112,-74.834 ccw(c79.231,-75.009) 79.406,-71.128 ccw(c79.405,-74.834) 75.699,-74.834 ccw(c79.628,-74.685) 79.34,-78.606 ccw(c79.117,-74.611)
  pour cut-out: 73.079,-74.834 ccw(c69.198,-75.009) 69.373,-71.128 ccw(c69.372,-74.834) 65.666,-74.834 ccw(c69.595,-74.685) 69.307,-78.606 ccw(c69.084,-74.611)
  pour cut-out: 68.126,-74.834 ccw(c64.245,-75.009) 64.42,-71.128 ccw(c64.419,-74.834) 60.713,-74.834 ccw(c64.642,-74.685) 64.354,-78.606 ccw(c64.131,-74.611)
  pour cut-out: 63.173,-74.834 ccw(c59.292,-75.009) 59.467,-71.128 ccw(c59.466,-74.834) 55.76,-74.834 ccw(c59.689,-74.685) 59.401,-78.606 ccw(c59.178,-74.611)
  pour cut-out: 46.386,-76.248 ccw(c46.561,-80.129) 42.68,-79.954 ccw(c46.386,-79.954) 46.386,-83.66 ccw(c46.237,-79.731) 50.158,-80.02 ccw(c46.163,-80.242)
  pour cut-out: 46.386,-81.201 ccw(c46.561,-85.082) 42.68,-84.907 ccw(c46.386,-84.907) 46.386,-88.613 ccw(c46.237,-84.684) 50.158,-84.973 ccw(c46.163,-85.195)
  pour cut-out: 46.386,-86.154 ccw(c46.561,-90.035) 42.68,-89.86 ccw(c46.386,-89.86) 46.386,-93.566 ccw(c46.237,-89.637) 50.158,-89.926 ccw(c46.163,-90.148)
  pour cut-out: 171.898,-118.092 ccw(c171.636,-112.322) 177.407,-112.583 ccw(c171.869,-112.657) 171.796,-107.12 ccw(c171.869,-112.657) 166.332,-112.73 ccw(c171.796,-112.629)
  pour cut-out: 259.347,-10.406 cw(c253.584,-9.883) 253.584,-15.669 cw(c253.584,-10.406) 248.322,-10.406 cw(c254.021,-10.406) 254.022,-4.706 cw(c253.822,-10.356) 259.472,-10.556
  pour cut-out: 194.843,-15.593 ccw(c194.45,-10.415) 199.643,-10.493 ccw(c194.055,-10.38) 194.168,-4.793 ccw(c194.168,-10.493) 188.468,-10.493 ccw(c194.205,-9.855)
  pour cut-out: 4.044,-110.697 ccw(c3.783,-104.927) 9.553,-105.188 ccw(c4.016,-105.262) 3.943,-99.724 ccw(c4.016,-105.262) -1.521,-105.335 ccw(c3.943,-105.234)
  pour cut-out: 4.044,-55.697 ccw(c3.783,-49.927) 9.553,-50.188 ccw(c4.016,-50.262) 3.943,-44.724 ccw(c4.016,-50.262) -1.521,-50.335 ccw(c3.943,-50.234)
  pour cut-out: 4.044,-155.697 ccw(c3.783,-149.927) 9.553,-150.188 ccw(c4.016,-150.262) 3.943,-144.724 ccw(c4.016,-150.262) -1.521,-150.335 ccw(c3.943,-150.234)
  pour cut-out: 179.044,-110.697 ccw(c178.783,-104.927) 184.553,-105.188 ccw(c179.016,-105.262) 178.943,-99.724 ccw(c179.016,-105.262) 173.479,-105.335 ccw(c178.943,-105.234)
  pour cut-out: 38.946,-69.23 ccw(c39.206,-67.708) 40.698,-68.104 ccw(c39.104,-67.939) 39.268,-66.345 ccw(c39.268,-67.805) 37.808,-67.805 ccw(c39.089,-67.948)
  pour cut-out: 103.911,-155.697 cw(c104.173,-149.927) 98.402,-150.188 cw(c103.94,-150.262) 104.013,-144.724 cw(c103.939,-150.262) 109.477,-150.335 cw(c104.013,-150.234)
  pour cut-out: 103.911,-130.698 cw(c104.173,-124.927) 98.402,-125.189 cw(c103.939,-125.262) 104.013,-119.725 cw(c103.939,-125.262) 109.476,-125.336 cw(c104.013,-125.235)
  pour cut-out: 178.911,-155.697 cw(c179.173,-149.927) 173.402,-150.188 cw(c178.94,-150.262) 179.013,-144.724 cw(c178.939,-150.262) 184.477,-150.335 cw(c179.013,-150.234)
  pour cut-out: 215.783,-142.324 cw(c216.044,-136.553) 210.274,-136.815 cw(c215.811,-136.888) 215.884,-131.351 cw(c215.811,-136.888) 221.348,-136.962 cw(c215.884,-136.861)
  pour cut-out: 253.911,-55.697 cw(c254.173,-49.927) 248.402,-50.188 cw(c253.94,-50.262) 254.013,-44.724 cw(c253.939,-50.262) 259.477,-50.335 cw(c254.013,-50.234)
  pour cut-out: 253.911,-155.697 cw(c254.173,-149.927) 248.402,-150.188 cw(c253.94,-150.262) 254.013,-144.724 cw(c253.939,-150.262) 259.477,-150.335 cw(c254.013,-150.234)
  pour cut-out: 44.76,-123.723 cw(c45.022,-117.953) 39.251,-118.215 cw(c44.788,-118.288) 50.325,-118.361 cw(c44.862,-118.26)
  pour cut-out: 79.286,-78.591 89.215,-78.591 89.197,-71.156 79.286,-71.117
  pour cut-out: 59.347,-78.591 69.276,-78.591 69.258,-71.156 59.347,-71.117
  pour cut-out: 50.143,-89.98 50.143,-80.05 42.708,-80.069 42.669,-89.98
  pour cut-out: 206.299,-119.786 210.287,-119.786 213.411,-122.911 226.162,-122.911 230.403,-127.152 230.403,-134.765 220.938,-134.765

## Silkscreen, mask and mechanical layers (free items; w line width, h text height)
Top Overlay:
  drawing of 60 lines, arcs and shapes, not listed
  text "H M4" at 88.671,45.237 h2
  text "Countersink Hole=CH" at 14.859,45.06 h5
  text "Hole=H" at 40.157,41.631 h5
  text "CH M4-TOP" at 0.762,33.731 h2
  text "H M4" at 137.211,33.122 h2
  text "CH M3-Bottom" at 23.825,22.758 h2 r90
  text "CH M3-Bottom" at 37.49,22.758 h2 r90
  text "CH M3-Bottom" at 64.033,22.758 h2 r90
  text "CH M3-Bottom" at 76.911,22.758 h2 r90
  text "CH M3-Bottom" at 104.216,22.758 h2 r90
  text "CH M3-Bottom" at 117.602,22.504 h2 r90
  text "CH M4-Bottom" at 151.816,20.803 h2
  text "H M4" at 137.211,20.041 h2
  text "CH M3-TOP" at 172.415,18.796 h2
  text "CH M4-TOP" at 0.889,8.306 h2
  text "Line" at 243.738,-14.529 h1.2
  text "Null" at 253.289,-18.669 h1.2
  text "CGND" at 250.571,-59.919 h0.8 r90
  text "+24V" at 9.017,-61.189 h1.2 r90
  text "+24V" at 250.546,-62.205 h0.8 r90
  text "Vaccoat.com" at 140.741,-64.643 h2
  text "CGND" at 8.992,-65.608 h1.2 r90
  text "NC" at 250.393,-67.081 h0.8 r90
  text "PFC-EN" at 250.393,-70.155 h0.8 r90
  text "V1.6" at 0.965,-72.06 h2.5 r270
  text "R-Inrush" at 250.342,-73.254 h0.8 r90
  text "CGND" at 250.368,-75.641 h0.8 r90
  text "+5V" at 250.368,-77.241 h0.8 r90
  text "S/N:23A" at 0.965,-77.47 h2.5 r270
  text "+24V" at 250.393,-79.248 h0.8 r90
  text "Inrush" at 246.278,-86.131 h0.8
  text "PFC-En" at 248.818,-94.767 h0.7
  text "+400V" at 1.092,-115.316 h1.2
  text "PGND" at 1.143,-118.643 h1.2
  text "+15V" at 1.143,-121.92 h1.2

## Dimensions
80,27 to 100,27 on Top Overlay
6,15 to 0,0 on Top Overlay
0,0 to 6,15 on Top Overlay
176,27 to 0,50 on Top Overlay
180,0 to 176,27 on Top Overlay
180,50 to 139,40 on Top Overlay
180,50 to 0,50 on Top Overlay
139,40 to 0,50 on Top Overlay
0,50 to 0,0 on Top Overlay
20,27 to 0,0 on Top Overlay
20,27 to 40,27 on Top Overlay
6,40 to 0,50 on Top Overlay
40,27 to 60,27 on Top Overlay
60,27 to 80,27 on Top Overlay
6,40 to 0,50 on Top Overlay
0,50 to 70,40 on Top Overlay
39.975,-52.203 to -0.022,-35.203 on Top Overlay
100,27 to 180,0 on Top Overlay
100,27 to 120,27 on Top Overlay
180,0 to 139,15 on Top Overlay
158,27 to 0,50 on Top Overlay
60,27 to 70,40 on Top Overlay

## Text inside footprints (layer, text, board x,y; h text height)
Q2: Top Overlay "C" at 29.693,-62.611 h0.5 r180; Top Overlay "E" at 29.743,-61.57 h1 r180; Top Overlay "B" at 29.693,-64.643 h1 r180
Q3: Top Overlay "C" at 37.109,-62.611 h0.5 r180; Top Overlay "E" at 37.16,-61.57 h1 r180; Top Overlay "B" at 37.109,-64.643 h1 r180
Q5: Top Overlay "C" at 74.701,-60.681 h0.5 r180; Top Overlay "E" at 74.752,-59.639 h1 r180; Top Overlay "B" at 74.701,-62.713 h1 r180
Q6: Top Overlay "C" at 81.331,-60.681 h0.5 r180; Top Overlay "E" at 81.382,-59.639 h1 r180; Top Overlay "B" at 81.331,-62.713 h1 r180
Q8: Top Overlay "C" at 114.376,-60.909 h0.5 r180; Top Overlay "E" at 114.427,-59.868 h1 r180; Top Overlay "B" at 114.376,-62.941 h1 r180
Q9: Top Overlay "C" at 121.437,-60.909 h0.5 r180; Top Overlay "E" at 121.488,-59.868 h1 r180; Top Overlay "B" at 121.437,-62.941 h1 r180
Q17: Top Overlay "B" at 232.512,-88.722 h1 r90; Top Overlay "C" at 232.461,-91.11 h1 r90; Top Overlay "E" at 232.435,-93.574 h1 r90